# KiCad board 3ric.kicad_pcb (continued)
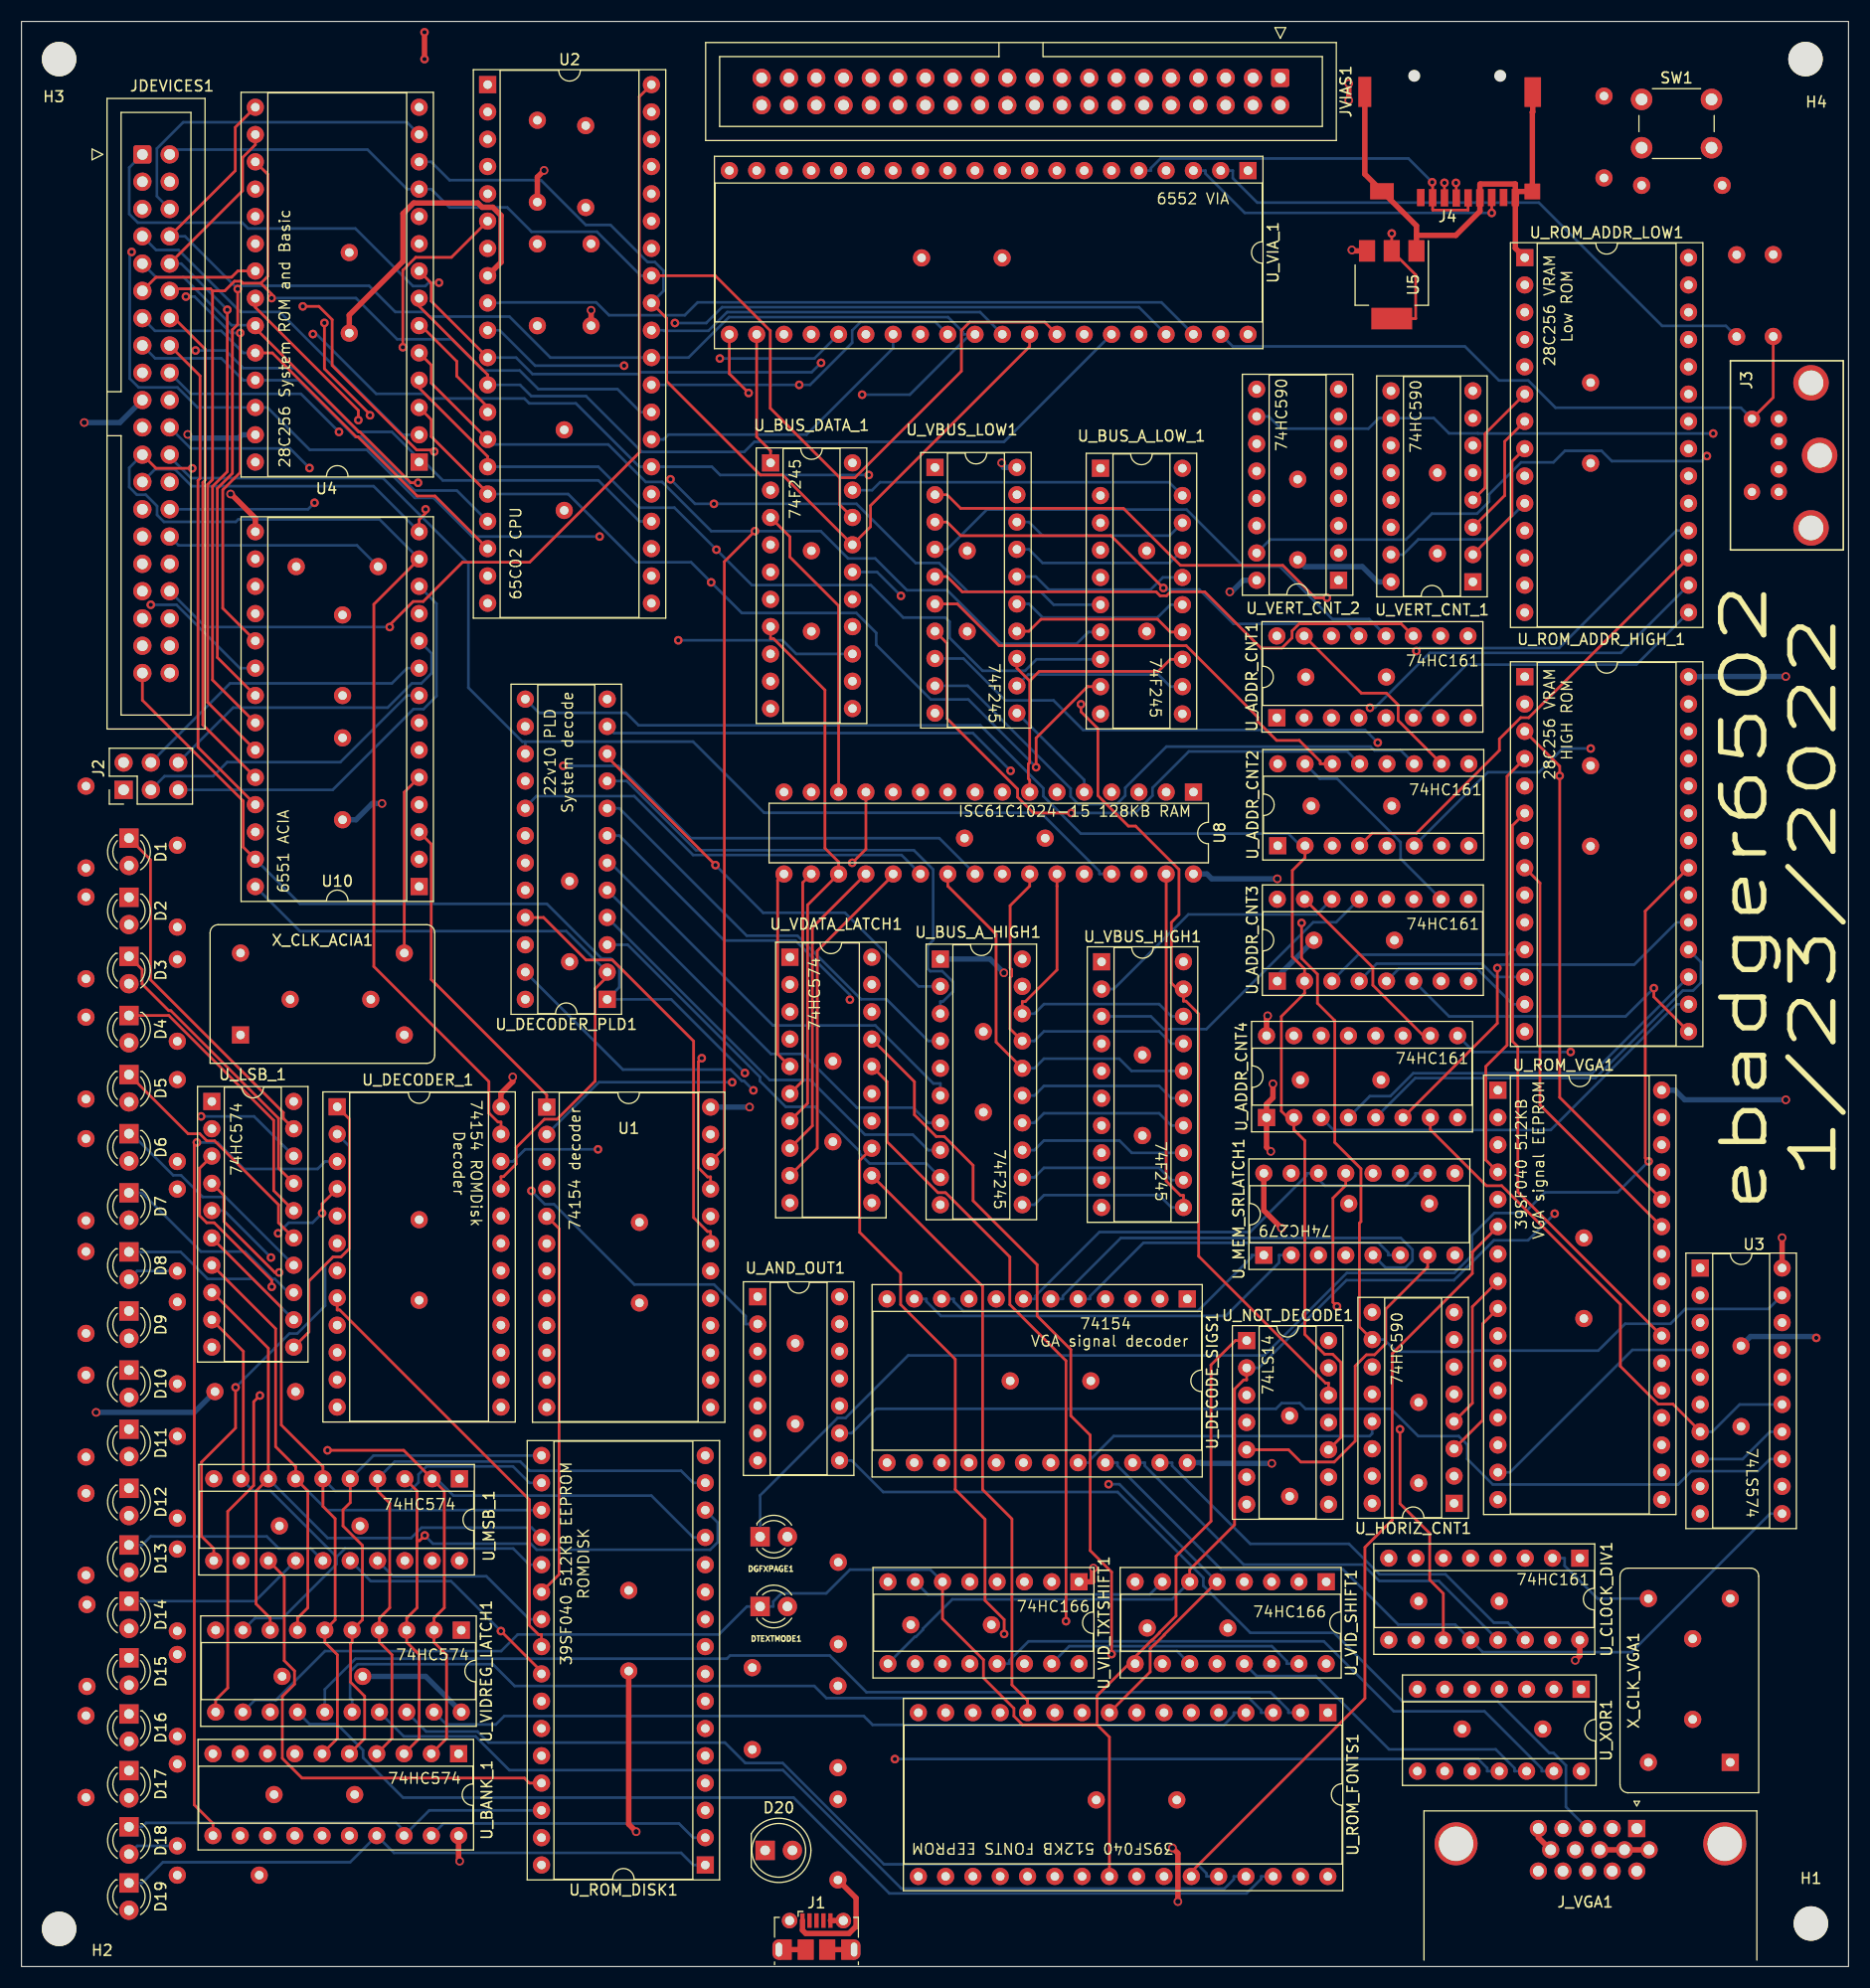
[diagram p0: board, top side]
## Routing (per net, layer and track width the routed paths; a pad name or vN(x,y) marks a point on that pad's centre or on a via; arc(x,y) is an arc through that point) (continued)
TD6: length 21
  In1.Cu w0.25: U_ROM_FONTS1.20 91.07,9.51 89.94,10.64 89.94,26.48 U_VID_TXTSHIFT1.12
TD7: length 20.6
  In1.Cu w0.25: U_ROM_FONTS1.21 93.61,9.51 92.46,10.66 92.46,27.32 U_VID_TXTSHIFT1.14
TEXTMODE: length 158
  Top w0.25: 103.62,28.74 100.08,25.2 100.08,22.5 ; 103.62,28.74 U_VID_SHIFT1.9 ; 103.62,28.74 103.62,28.82 105.18,30.38 105.22,30.38 105.87,31.03 105.87,31.07 107.43,32.62 107.43,38.18 110.68,41.44 110.68,55.98 112.95,58.25 U_NOT_DECODE1.1 ; U_ROM_FONTS1.24 101.23,21.35 100.08,22.5 ; 100.08,22.5 93.14,22.5 92.34,23.3 92.34,24.03 89.51,26.86 89.51,28.54 85.7,32.35 U_VID_TXTSHIFT1.6
  In1.Cu w0.25: U_ROM_FONTS1.22 97.28,7.26 100.1,7.26 U_ROM_FONTS1.24
  Bottom w0.25: U_VIDREG_LATCH1.12 21.73,24.8 23.61,24.8 23.65,24.76 28.24,29.35 44.63,29.35 46.17,30.9 64.89,30.9 67.5,33.5 DTEXTMODE1.1 69.95,33.5 69.95,33.96 70.72,34.73 74.87,34.73 77.08,36.93 84.57,36.93 U_VID_TXTSHIFT1.6
TXD: length 30.5
  Bottom w0.25: U10.10 38.16,122.2 38.16,120.36 37.21,119.41 36.33,119.41 34.07,117.15 19.69,117.15 J2.6
VA0: length 46.3
  In1.Cu w0.25: U_VBUS_LOW1.18 92.62,133.53 89.45,130.36 89.45,118.76 81.11,110.42 U8.12
  Bottom w0.25: U_BUS_A_LOW_1.18 106.83,133.15 95.01,133.15 93.75,134.42 U_VBUS_LOW1.18
VA1: length 42.9
  In1.Cu w0.25: U8.11 83.65,110.42 90.08,116.84 90.08,128.45 92.39,130.75 92.62,130.75 U_VBUS_LOW1.17
  Bottom w0.25: U_BUS_A_LOW_1.17 106.83,130.61 95.01,130.61 93.75,131.88 U_VBUS_LOW1.17
VA2: length 39.2
  In1.Cu w0.25: U8.10 86.19,110.42 90.53,114.76 90.53,126.36 92.39,128.21 92.62,128.21 U_VBUS_LOW1.16
  Bottom w0.25: U_BUS_A_LOW_1.16 106.2,129.26 105.07,128.13 95.59,128.13 94.38,129.34 U_VBUS_LOW1.16
VA3: length 35.7
  In1.Cu w0.25: U8.9 88.73,110.42 90.98,112.67 90.98,124.26 92.4,125.67 92.62,125.67 U_VBUS_LOW1.15
  Bottom w0.25: U_BUS_A_LOW_1.15 106.89,126.72 105.7,125.53 95.01,125.53 93.75,126.8 U_VBUS_LOW1.15
VA4: length 32
  Top w0.25: U_BUS_A_LOW_1.14 106.89,124.19 105.7,125.38 94.86,125.38 93.75,124.26 U_VBUS_LOW1.14
  In1.Cu w0.25: U8.8 91.27,111.53 91.43,111.69 91.43,122.17 92.4,123.13 92.62,123.13 U_VBUS_LOW1.14
VA5: length 28.1
  Top w0.25: 93.81,119.64 94.69,120.52 105.77,120.52 106.89,121.64 U_BUS_A_LOW_1.13 ; 93.81,119.64 93.81,112.03 93.68,111.9 93.68,110.54 93.81,110.42 U8.7 ; 93.81,119.64 92.62,120.83 U_VBUS_LOW1.13
VA6: length 32
  In1.Cu w0.25: U8.6 106.17,119.11 U_BUS_A_LOW_1.12
  Bottom w0.25: U_VBUS_LOW1.12 93.67,120.23 105.77,120.23 106.89,119.11 U_BUS_A_LOW_1.12
VA7: length 22.2
  In1.Cu w0.25: U_BUS_A_LOW_1.11 106.06,116.56 98.89,109.39 U8.5
  Bottom w0.25: U_VBUS_LOW1.11 92.62,116.69 98.89,110.42 U8.5
VA8: length 30.3
  Top w0.25: U8.27 96.35,100.54 96.35,92.74 93.4,89.8 93.12,89.8 U_BUS_A_HIGH1.18
  Bottom w0.25: U_BUS_A_HIGH1.18 94.25,88.67 95.14,89.56 105.85,89.56 106.99,88.42 U_VBUS_HIGH1.18
VA9: length 32.7
  Top w0.25: U_BUS_A_HIGH1.17 91.99,87.26 91.99,92.02 92.13,92.17 92.13,92.77 91.99,92.92 91.99,98.72 93.81,100.54 U8.26
  Bottom w0.25: U_BUS_A_HIGH1.17 94.25,86.13 95.14,87.02 105.85,87.02 106.99,85.88 U_VBUS_HIGH1.17
VA10: length 36.8
  Top w0.25: U8.23 86.19,100.54 90.68,96.05 90.68,86.03 U_BUS_A_HIGH1.16
  Bottom w0.25: U_VBUS_HIGH1.16 103.29,83.34 102.15,84.48 95.14,84.48 94.25,83.59 U_BUS_A_HIGH1.16
VA11: length 40
  In1.Cu w0.25: U_BUS_A_HIGH1.15 93.12,81.12 87.88,86.36 87.88,98.28 U8.25
  Bottom w0.25: U_BUS_A_HIGH1.15 94.25,81.05 95.14,81.94 105.85,81.94 106.99,80.8 U_VBUS_HIGH1.15
VA12: length 50.1
  In1.Cu w0.25: U8.4 101.43,108.93 97.71,105.21 97.71,83.1 U_BUS_A_HIGH1.14
  Bottom w0.25: U_VBUS_HIGH1.14 106.99,78.26 105.85,79.4 95.14,79.4 94.25,78.51 U_BUS_A_HIGH1.14
VA13: length 44.1
  In1.Cu w0.25: U_BUS_A_HIGH1.13 93.12,77.1 93.4,77.1 98.89,82.58 U8.28
  Bottom w0.25: U_BUS_A_HIGH1.13 94.25,75.97 95.14,76.86 102.16,76.86 103.3,75.72 U_VBUS_HIGH1.13
VA14: length 56.4
  In1.Cu w0.25: U8.3 102.7,108.02 102.7,99.34 99.34,95.98 99.34,80.49 93.4,74.56 93.12,74.56 U_BUS_A_HIGH1.12
  Bottom w0.25: U_BUS_A_HIGH1.12 94.25,73.43 95.14,74.32 105.85,74.32 106.99,73.18 U_VBUS_HIGH1.12
VA15: length 47.7
  Top w0.25: U_VBUS_HIGH1.11 108.12,71.77 107.84,71.77 106.51,73.09 U8.31
  Bottom w0.25: U_BUS_A_HIGH1.11 94.25,70.89 95.14,71.78 105.85,71.78 106.99,70.64 U_VBUS_HIGH1.11
VB0: length 6.3
  In1.Cu w0.25: U_VIA_1.10 91.27,172.75 JVIAS1.22
VB1: length 6.3
  In1.Cu w0.25: U_VIA_1.11 88.72,172.75 JVIAS1.24
VB2: length 6.3
  In1.Cu w0.25: U_VIA_1.12 86.19,172.75 JVIAS1.26
VB3: length 6.3
  In1.Cu w0.25: JVIAS1.28 83.64,172.75 U_VIA_1.13
VB4: length 6.3
  In1.Cu w0.25: U_VIA_1.14 81.11,172.75 JVIAS1.30
VB5: length 6.3
  In1.Cu w0.25: U_VIA_1.15 78.56,172.75 JVIAS1.32
VB6: length 6.3
  In1.Cu w0.25: U_VIA_1.16 76.03,172.75 JVIAS1.34
VB7: length 6.3
  In1.Cu w0.25: JVIAS1.36 73.48,172.75 U_VIA_1.17
VD0: length 52.7
  Top w0.25: U8.13 78.57,103.98 v2(77.3,102.71)
  In1.Cu w0.25: U_VDATA_LATCH1.2 71.71,91.39 77.3,96.98 v2(77.3,102.71) ; U_BUS_DATA_1.2 71.79,135.3 71.79,118.5 78.57,111.72 U8.13
VD1: length 53.6
  Top w0.25: U_BUS_DATA_1.3 71.5,133.05 71.5,131.16 76.03,126.63 U8.14
  In1.Cu w0.25: U8.14 76.03,106.01 79.73,102.31 79.73,97.08 U_VDATA_LATCH1.3
VD2: length 53.7
  In1.Cu w0.25: U_VDATA_LATCH1.4 70.37,87.43 70.37,91.89 71.28,92.8 72.46,92.8 74.63,94.97 74.63,102.3 73.49,103.43 U8.15 73.49,110.42 68.1,115.81 68.1,122.14 69.37,123.42 70.1,123.42 70.88,124.2 70.88,131.12 U_BUS_DATA_1.4
VD3: length 49.3
  Top w0.25: U_VDATA_LATCH1.5 70.36,84.91 70.36,101.08 U8.17
  In1.Cu w0.25: U8.17 67.2,105.42 67.2,127.26 U_BUS_DATA_1.5
VD4: length 50.1
  Top w0.25: U_VDATA_LATCH1.6 72.69,82.41 72.69,100.87 U8.18
  In1.Cu w0.25: U_BUS_DATA_1.6 67.65,125.17 67.65,107.51 U8.18
VD5: length 50.7
  Top w0.25: U_BUS_DATA_1.7 69.7,123.56 69.98,123.56 74.76,118.78 74.76,104.07 76.03,102.8 U8.19 73.14,98.78 73.14,80.32 U_VDATA_LATCH1.7
VD6: length 53.5
  Top w0.25: U_VDATA_LATCH1.8 73.59,78.23 73.59,96.69 U8.20
  In1.Cu w0.25: U_BUS_DATA_1.8 68.57,121.01 68.57,116.56 74.76,110.37 74.76,106.61 78.57,102.8 U8.20
VD7: length 54.7
  Top w0.25: U_VDATA_LATCH1.9 74.04,76.15 74.04,94.51 81.11,101.58 U8.21
  In1.Cu w0.25: U_BUS_DATA_1.9 77.35,111.95 77.35,105.43 U8.21
VIA1_CA1: length 22.6
  In1.Cu w0.25: JVIAS1.2 117.13,154.89 U_VIA_1.40
VIA1_CB1: length 6.3
  In1.Cu w0.25: U_VIA_1.18 70.94,172.75 JVIAS1.38
VIA1_CB2: length 6.3
  In1.Cu w0.25: JVIAS1.40 68.41,172.75 U_VIA_1.19
VIA1_PA5: length 6.3
  In1.Cu w0.25: JVIAS1.16 98.89,172.75 U_VIA_1.7
VIA1_PA6: length 6.3
  In1.Cu w0.25: U_VIA_1.8 96.34,172.75 JVIAS1.18
VIA1_PA7: length 6.3
  In1.Cu w0.25: JVIAS1.20 93.81,172.75 U_VIA_1.9
VIDBUS: length 146.1
  Top w0.25: U_NOT_DECODE1.12 121.62,54.3 121.34,54.3 109.53,66.1 109.53,88.65 108.35,89.83 108.12,89.83 108.12,90.4 ; U_VBUS_HIGH1.19 108.12,90.4 ; 108.12,90.4 106.99,91.52 106.99,97.17 107.7,97.87 107.7,102.09 103.66,106.13 103,106.13 100.16,108.96 100.16,115.19 98.58,116.77 v2(98.58,117.46)
  In1.Cu w0.25: U_VBUS_LOW1.19 93.75,135.83 93.75,120.26 96.54,117.46 ; 96.54,117.46 v2(98.58,117.46) ; 96.54,117.46 96.54,115.77 v2(92.04,111.27)
  Bottom w0.25: v2(92.04,111.27) 88.53,114.78 55.12,114.78 U_DECODER_PLD1.11
VIDENABLE: length 153.8
  Top w0.25: U_ADDR_CNT2.2 119.43,103.17 118.25,102 118.25,93.96 119.39,92.83 U_ADDR_CNT3.2 119.39,90.57 117.23,88.41 117.23,79.6 118.39,78.44 ; 118.39,78.44 118.39,77.87 119.41,76.85 119.41,58.82 121.25,56.98 122,56.98 122.77,56.21 122.77,49.24 U_NOT_DECODE1.10 ; 118.39,78.44 U_ADDR_CNT4.2
  In1.Cu w0.25: U_ADDR_CNT1.2 119.35,115.07 120.7,113.73 120.7,109.98 121.15,109.53 121.15,107.15 119.43,105.43 U_ADDR_CNT2.2
  Bottom w0.25: U_ADDR_CNT2.2 119.01,104.3 117.88,105.43 98.56,105.43 95.08,108.91 95.08,109.64 89.22,115.51 57.42,115.51 56.26,116.67 48.15,116.67 U_DECODER_PLD1.13
VL0: length 93.2
  Top w0.25: U_ROM_FONTS1.12 93.61,24.75 92.16,26.2 92.16,41.65 89.42,44.39 89.42,63.3 U_VDATA_LATCH1.12
  In1.Cu w0.25: U_ROM_FONTS1.12 95.68,21.55 113.45,21.55 115.2,23.3 115.2,23.96 117.45,26.2 117.45,28.53 118.86,29.94 U_VID_SHIFT1.2
VL1: length 92.1
  Top w0.25: U_VDATA_LATCH1.13 77.99,75.02 77.99,68.32 81.81,64.51 81.81,61.59 86.89,56.51 86.89,44.39 89.65,41.62 89.65,34.06 91.43,32.28 v2(91.43,30.95)
  In1.Cu w0.25: U_VID_SHIFT1.3 116.32,32.31 112.44,28.43 112.44,26.47 110.12,24.16 110.12,23.22 108.9,22 97.77,22 U_ROM_FONTS1.11 96.71,23.62 94.5,25.84 94.5,28.66 92.22,30.95 v2(91.43,30.95)
VL2: length 89
  In1.Cu w0.25: U_VDATA_LATCH1.14 77.97,77.54 77.97,70.61 84.95,63.63 88.31,63.63 89.42,62.51 89.42,61.76 94.21,56.97 100.04,56.97 112.88,44.14 112.88,42.54 113.78,41.64 U_VID_SHIFT1.4 113.78,31.38 112.64,30.24 109.11,30.24 107.36,28.49 107.36,27.21 105.04,24.89 105.04,23.29 104.2,22.45 99.86,22.45 U_ROM_FONTS1.10
VL3: length 78.2
  Top w0.25: U_VID_SHIFT1.5 106.32,30.88 106.32,30.85 105.4,29.93 105.37,29.93 105.02,29.58 105.02,27.42 U_ROM_FONTS1.9
  In1.Cu w0.25: v2(101.15,44.88) 99.58,46.45 99.58,48.56 88.02,60.13 85.98,60.13 84.34,61.76 84.34,62.51 77.52,69.33 77.52,79.63 U_VDATA_LATCH1.15
  Bottom w0.25: U_VID_SHIFT1.5 102.16,44.88 v2(101.15,44.88)
VL4: length 75.5
  Top w0.25: U_VDATA_LATCH1.16 80.53,82.35 80.53,76.76 85.28,72.02 85.98,72.02 91.97,66.03 91.97,61.59 97.19,56.37 v2(97.19,32.14)
  In1.Cu w0.25: 103.77,24.48 97.19,31.06 v2(97.19,32.14) ; 103.77,24.48 U_ROM_FONTS1.8 ; 103.77,24.48 103.77,25.79 U_VID_SHIFT1.10
VL5: length 80.3
  Top w0.25: v2(101.43,29.07) 101.43,36.72 99.44,38.71 99.44,49.45 97.64,51.25 97.64,57.41 94.5,60.54 94.5,65.3 88.55,71.26 88.55,74.55 85.86,77.24 85.11,77.24 83.09,79.26 83.09,82.34 U_VDATA_LATCH1.17
  In1.Cu w0.25: U_VID_SHIFT1.11 108.7,27.14 106.31,24.75 U_ROM_FONTS1.7
  Bottom w0.25: U_VID_SHIFT1.11 107.52,29.36 101.72,29.36 v2(101.43,29.07)
VL6: length 83.7
  In1.Cu w0.25: 111.24,28.03 111.24,27.14 108.85,24.75 U_ROM_FONTS1.6 ; 111.24,28.03 115.14,31.92 115.14,46 114.34,46.8 113.69,46.8 99.58,60.91 99.58,62.78 86.66,75.7 86.66,81.51 85.85,82.32 85.14,82.32 79.12,88.34 U_VDATA_LATCH1.18 ; 111.24,28.03 U_VID_SHIFT1.12
VL7: length 89.8
  In1.Cu w0.25: U_VDATA_LATCH1.19 80.25,91.39 84.23,87.4 85.86,87.4 87.26,86 87.26,77.66 92.75,72.16 94.96,72.16 104.67,62.46 104.67,58.28 113.59,49.36 114.37,49.36 115.6,48.13 115.6,43.63 117.51,41.72 117.51,29.37 U_VID_SHIFT1.14 115.94,28.18 U_ROM_FONTS1.5
VMLATCH: length 45.9
  In1.Cu w0.25: U_NOT_DECODE1.6 112.87,45.55 98.72,59.7 93.99,59.7 91.97,61.73 91.97,62.45 83.35,71.06 U_VDATA_LATCH1.11
VQ0: length 160.9
  Top w0.25: U_ROM_FONTS1.27 108.85,8.81 125.01,24.96 125.01,39.01 127.54,41.55 127.54,57.04 135,64.5 135,66.47 U_ROM_VGA1.6
  In1.Cu w0.25: U_ROM_VGA1.6 140.53,72 140.53,73.26 141.01,73.74 141.01,96.03 U_ROM_ADDR_HIGH_1.10 139.88,96.6 141.03,97.75 141.03,100.2 140.4,100.83 139.65,100.83 136.95,103.53 136.95,133.24 U_ROM_ADDR_LOW1.10
  Bottom w0.25: U_ROM_ADDR_LOW1.10 136.51,132.8 129.97,132.8 128.56,131.39 U_VERT_CNT_1.15
VQ1: length 152
  In1.Cu w0.25: U_ROM_FONTS1.26 106.31,9.22 117.74,20.65 117.74,23.97 119.63,25.86 120.74,25.86 123.46,28.58 123.46,47.57 125.23,49.35 127.46,49.35 127.56,49.25 128.54,49.25 129.04,49.74 129.04,50.45 128.86,50.63 128.86,54.85 132.17,58.16 132.17,66.65 137.38,71.85 U_ROM_VGA1.5 138.74,72.76 138.74,98.57 139.88,99.7 136.5,103.08 136.5,126.28 135.05,127.72 U_VERT_CNT_1.1 136.18,129.98 136.18,135.01 U_ROM_ADDR_LOW1.9
VQ2: length 200.2
  Top w0.25: U_ROM_ADDR_LOW1.8 138.69,140.06 138.69,135.03 U_VERT_CNT_1.2 ; U_ROM_VGA1.27 141.29,80.18 141.29,100.83 U_ROM_ADDR_HIGH_1.8
  In1.Cu w0.25: U_ROM_ADDR_LOW1.8 141.02,140.1 141.02,125.14 137.4,121.52 137.4,104.72 U_ROM_ADDR_HIGH_1.8 ; U_ROM_VGA1.27 154.57,66.89 154.57,64.54 155.24,63.87 156.38,63.87 157.8,62.45 157.8,49.3 156.99,48.49 155.43,48.49 154.57,47.63 154.57,42.07 147.86,35.36 147.86,30.47 146.65,29.25 130.58,29.25 110.12,8.8 110.12,8.05 108.86,6.79 103.71,6.79 102.52,7.97 102.52,8.69 101.69,9.52 99.83,9.52 U_ROM_FONTS1.23
VQ3: length 186.8
  Top w0.25: U_VERT_CNT_1.3 138.01,136.89 138.01,141.92 U_ROM_ADDR_LOW1.7
  In1.Cu w0.25: U_ROM_VGA1.26 151.49,66.31 150.95,65.77 141.7,65.77 ; U_ROM_FONTS1.25 103.77,7.73 104.24,7.26 106.85,7.26 107.58,7.99 107.58,9.84 120.42,22.68 120.42,24.64 124.52,28.74 124.52,46.08 125.2,46.77 126.7,46.77 131.92,51.99 133.62,51.99 134.9,53.27 134.9,57.84 137.02,59.96 139.96,59.96 141.7,61.7 141.7,65.77 ; 141.7,65.77 140.98,66.49 140.98,73.08 141.48,73.58 141.48,103.75 139.88,105.35 139.88,104.78 137.85,106.81 137.85,120.7 141.48,124.33 141.48,142.18 U_ROM_ADDR_LOW1.7
VQ4: length 108.7
  Top w0.25: U_ROM_ADDR_HIGH_1.6 138.73,106.18 138.73,86.11 139.23,85.6 139.23,72.07 U_ROM_VGA1.23 ; U_VERT_CNT_1.4 136.18,137.6 136.18,142.63 U_ROM_ADDR_LOW1.6
  In1.Cu w0.25: U_ROM_ADDR_LOW1.6 141.95,144.25 141.95,124.16 138.3,120.51 138.3,108.9 U_ROM_ADDR_HIGH_1.6
VQ5: length 115.5
  In1.Cu w0.25: 139.88,108.74 139.37,108.74 138.75,109.36 138.75,117.95 139.69,118.9 140.84,118.9 142.41,120.47 142.41,145.43 139.88,147.96 U_ROM_ADDR_LOW1.5 139.88,147.97 138.69,146.78 138.69,142.65 U_VERT_CNT_1.5 ; 139.88,108.74 140.11,108.74 142.43,106.42 142.43,72.47 141.93,71.97 141.93,68.96 144.66,66.22 146.46,66.22 147.69,67.45 153.08,67.45 153.74,66.78 153.74,64.89 U_ROM_VGA1.25 ; 139.88,108.74 139.88,109.86
VQ6: length 93.8
  Top w0.25: U_ROM_ADDR_HIGH_1.4 138.23,110.76 138.23,85.74 136.25,83.76 136.25,75.05 U_ROM_VGA1.4
  In1.Cu w0.25: U_VERT_CNT_1.6 138.01,144.51 138.01,149.54 U_ROM_ADDR_LOW1.4 139.88,150.84 142.89,147.83 142.89,115.42 U_ROM_ADDR_HIGH_1.4
VQ7: length 105.4
  Top w0.25: 139.88,114.94 143.13,111.69 v2(143.13,110.8) 143.13,80.88 U_ROM_VGA1.28
  In1.Cu w0.25: U_VERT_CNT_1.7 136.18,145.22 136.18,149.35 139.88,153.05 U_ROM_ADDR_LOW1.3 139.88,153.04 143.39,149.53 143.39,111.07 v2(143.13,110.8)
VQ8: length 139.8
  In1.Cu w0.25: 153.99,101.08 153.99,111.28 U_ROM_ADDR_HIGH_1.25 ; 153.99,101.08 153.99,75.3 U_ROM_VGA1.29 ; 153.99,101.08 155.58,101.08 157.18,102.69 157.18,140.2 v2(156.82,140.56) 156.66,140.72 156.66,149.86 U_ROM_ADDR_LOW1.25
  Bottom w0.25: v2(156.82,140.56) 156.35,140.09 147.98,140.09 147.02,141.05 143.61,141.05 142.54,139.97 139.54,139.97 136.56,137 136.56,136.32 135.44,135.2 131.24,135.2 128.83,132.79 116.18,132.79 U_VERT_CNT_2.15
VQ9: length 63.7
  In1.Cu w0.25: U_ROM_VGA1.3 136.03,77.81 136.03,124.02 134.63,125.42 126.13,125.42 U_VERT_CNT_2.1
VRESET: length 131.4
  In1.Cu w0.25: v2(157.41,142.66) 157.77,142.3 157.77,72.8 164.99,65.57 164.99,61.09 U3.18
  Bottom w0.25: U_VERT_CNT_1.10 126.3,144.09 ; 126.3,144.09 131.41,144.09 132.83,142.67 135.52,142.67 135.53,142.66 v2(157.41,142.66) ; 126.3,144.09 125.32,143.11 117.19,143.11 116.06,144.24 U_VERT_CNT_2.10
VSYNC: length 62
  In1.Cu w0.25: U3.16 164.97,53.69 164.97,21.31 150.94,7.28 145.03,7.28 J_VGA1.14
~{CPUBUS_CS}: length 162.6
  In1.Cu w0.25: 90.69,105.25 91.4,105.25 95.17,109.02 95.17,112.99 100.02,117.83 100.77,117.83 106.61,123.67 106.61,127.62 106.97,127.98 106.97,128.58 106.88,128.68 106.88,135.75 U_BUS_A_LOW_1.19 ; 90.69,105.25 91.75,105.25 92.45,104.55 92.45,95.31 88.33,91.2 88.33,86.55 89.04,85.84 90.04,85.84 91.18,86.97 91.18,88.38 92.89,90.08 93.12,90.08 U_BUS_A_HIGH1.19 ; 90.69,105.25 87.32,101.88 87.32,101.13 85.69,99.5 83.1,99.5 72.77,89.17 72.77,85.9 71.9,85.03 71.17,85.03 68.1,81.97 v2(68.1,81.53)
  Bottom w0.25: U_DECODER_PLD1.23 55.95,83.47 65.97,83.47 67.01,82.43 67.21,82.43 v2(68.1,81.53) ; U_BUS_DATA_1.19 79.15,137.38 79.89,138.12 106.78,138.12 U_BUS_A_LOW_1.19
~{CS_ACIA}: length 30.5
  Top w0.25: U10.3 38.13,104.45 38.13,91.85 48.88,81.1 U1.1
~{CS_IO2}: length 97.5
  In1.Cu w0.25: v2(29.54,142.81) 29.54,132.27 35.73,126.09 35.73,117.94 36.66,117.01 37.37,117.01 42.3,112.08 42.3,105.68 46.55,101.43 47.26,101.43 52.14,96.56 52.14,78.16 U1.3
  Bottom w0.25: JDEVICES1.18 15.75,146.35 26,146.35 v2(29.54,142.81)
~{CS_IO3}: length 91.4
  In1.Cu w0.25: v2(26.8,139.45) 26.54,139.19 26.54,135.91 26.8,135.66 26.8,130.52 34.26,123.06 34.26,109.27 36.68,106.85 37.32,106.85 44.06,100.11 44.06,83.35 47.46,79.95 47.46,73.77 48.88,72.36
  Bottom w0.25: v2(26.8,139.45) 24.97,141.27 15.75,141.27 JDEVICES1.22
~{CS_RAM}: length 40.3
  Bottom w0.25: U8.22 81.89,103.43 62.5,103.43 57.01,108.91 47.91,108.91 46.88,107.88 U_DECODER_PLD1.17
~{CS_ROMDISK}: length 40.4
  Top w0.25: U1.5 50.02,68.67 50.02,36.48 U_ROM_DISK1.22
  In2.Cu w0.25: U1.5 47.75,69.81 47.72,69.84 U_DECODER_1.20
~{CS_ROM}: length 63.9
  Top w0.25: v2(32.43,144.36) 32.43,144.44 28.18,148.68 v2(28.18,152.95)
  In1.Cu w0.25: v2(32.43,144.36) 32.15,144.63 30.96,144.63 30.32,143.99 30.32,136.01 36.61,129.71 37.4,129.71 38.19,128.92 38.19,127.2 42.45,122.94 42.45,114.75 U_DECODER_PLD1.16 ; U4.20 21.76,159.93 28.18,153.51 v2(28.18,152.95)
~{CS_VIA1}: length 90.9
  In1.Cu w0.25: U_VIA_1.23 70.94,150.75 66.14,145.94 66.14,82.29 v2(66.13,82.28)
  Bottom w0.25: v2(66.13,82.28) 66.12,82.29 53.73,82.29 48.88,77.44
~{CTS}: length 28.6
  Bottom w0.25: U10.9 35.87,120.82 34.46,119.41 19.41,119.41 J2.4
~{Device}: length 42.6
  Top w0.25: U_DECODER_PLD1.21 48.58,97.62 52.53,93.67 54.99,93.67 62.54,86.11 62.54,69.69 63.83,68.4 64.11,68.4 U1.19
  In1.Cu w0.25: 64.11,64.74 U1.19
~{IRQ_ACIA}: length 88.2
  In1.Cu w0.25: U10.26 21.76,106.22 R5.1 32.13,112.08 32.13,94.11 46.53,79.71 46.53,73.09 v2(47.45,72.18)
  Bottom w0.25: U_AND_OUT1.2 67.37,59.79 67.37,60.53 64.44,63.47 57.03,63.47 49.55,70.94 48.69,70.94 v2(47.45,72.18)
~{IRQ_VIA1}: length 92.9
  Top w0.25: v2(67.66,146.43) 65.86,148.22 65.86,151.88
  In1.Cu w0.25: v2(67.66,146.43) 67.66,135.22 68.98,133.89 68.98,133.29 66.58,130.89 66.58,82.85 66.86,82.58 66.86,81.95 66.53,81.62 66.53,65.43 68.5,63.46 U_AND_OUT1.1
~{IRQEXT}: length 114.9
  In1.Cu w0.25: R6.1 36.29,127.17 37.32,127.17 41.95,122.55 41.95,113.62 46.52,109.05 47.26,109.05 52.89,103.42 52.89,69.28 63.78,58.38 64.51,58.38 67.09,55.81 67.09,54.48 68.27,53.3 68.5,53.3 U_AND_OUT1.5
  Bottom w0.25: R6.1 31.21,132.25 14.61,132.25 JDEVICES1.30
~{IRQ}: length 150.8
  In1.Cu w0.25: U_AND_OUT1.6 69.67,50.8 69.67,57.72 68.94,58.45 68.18,58.45 66.09,60.55 66.09,61.85 64.47,63.47 61.66,63.47 56.37,68.76 56.37,91.23 62.74,97.6 62.74,124.66 62.55,124.85 62.55,135.9 62.91,136.27 62.91,144.01 69.56,150.66 69.56,155.62 58.8,166.38 44.5,166.38 U2.4
~{NMI}: length 53.1
  Top w0.25: v2(35.48,150.68) 35.48,157.85 36.68,159.05 40,159.05 U2.6
  In1.Cu w0.25: JDEVICES1.32 15.26,130.53 24.72,140 24.72,140.94 34.47,150.68 v2(35.48,150.68) ; U2.6 44.5,162.43 46.62,160.31 R4.1
~{OE}: length 118.7
  Top w0.25: U4.22 21.76,154.4 31.34,144.81 v2(31.34,143.91)
  In1.Cu w0.25: U4.22 21.76,154.45 16.44,149.13 16.44,141 13.79,138.34 JDEVICES1.26 ; v2(31.34,143.91) 30.77,143.33 30.77,141.36 39.6,132.53 39.6,127.89 45.47,122.02 45.47,116.81 U_DECODER_PLD1.14 50.4,111.88 v2(50.4,111.73)
  Bottom w0.25: U8.24 85.4,105 62.28,105 55.55,111.73 v2(50.4,111.73)
~{RESET}: length 231.6
  Top w0.25: U2.40 57.49,174 57.49,140.89 47.28,130.68 41.03,130.68 37.39,127.03 36.45,127.03 34.26,124.84 v2(34.26,124.65)
  In1.Cu w0.25: C_RESET_1.1 157.25,166.75 SW1.2 ; U10.4 34.71,110.41 34.71,124.2 v2(34.26,124.65) ; R_RESET_1.2 147.25,172.75 ; 147.25,172.75 SW1.2 ; 147.25,172.75 145.34,172.75 123.3,150.72 111.15,150.72 110.39,151.47 110.39,152.15 109.48,153.06 100.06,153.06 U_VIA_1.34 97.99,151.88 93.83,156.04 92.38,156.04 85.19,163.23 68.17,163.23 60.5,170.9 60.5,173.24 U2.40
  In2.Cu w0.25: SW1.2 SW1.2
  Bottom w0.25: v2(34.26,124.65) 17.13,124.65 JDEVICES1.34
~{RomDiskOE}: length 40.6
  Top w0.25: U_ROM_DISK1.24 48.39,30.9 48.1,30.9 47.26,31.74 47.26,43.44 29.61,61.09 29.38,61.09 U_DECODER_1.8
~{RTS}: length 28.6
  Bottom w0.25: J2.3 13.31,110.77 17.83,110.77 19.13,112.07 29.67,112.07 35.87,118.28 U10.8
~{WE}: length 112
  Bottom w0.25: 46.88,113.99 62.49,113.99 69.11,107.36 94.84,107.36 100.3,101.9 100.3,101.67 U8.29 ; 46.88,113.99 46.6,113.99 41.58,119 41.58,130.56 33.63,138.51 15.77,138.51 13.79,140.5 JDEVICES1.24 ; 46.88,113.99 U_DECODER_PLD1.15
Net-(D1-Pad2): length 4.1
  In2.Cu w0.25: R7.1 9.77,102.22 D1.2
Net-(D2-Pad2): length 4.6
  In2.Cu w0.25: R8.1 10.23,96.72 D2.2
Net-(D3-Pad2): length 4.2
  In2.Cu w0.25: D3.2 9.55,91.92 R9.1
Net-(D4-Pad2): length 9.6
  In1.Cu w0.25: D4.2 14.5,90.46 R10.1
Net-(D5-Pad2): length 4.1
  In2.Cu w0.25: D5.2 9.73,80.72 R11.1
Net-(D6-Pad2): length 4.5
  In2.Cu w0.25: R12.1 10.05,74.92 D6.2
Net-(D7-Pad2): length 4
  In2.Cu w0.25: R13.1 9.95,69.41 D7.2
Net-(D8-Pad2): length 4.8
  Bottom w0.25: D8.2 10.77,64.72 R14.1
Net-(D9-Pad2): length 4.2
  In2.Cu w0.25: R15.1 9.55,58.91 D9.2
Net-(D10-Pad2): length 5
  In2.Cu w0.25: R16.1 11.27,54.22 D10.2
Net-(D11-Pad2): length 4
  In2.Cu w0.25: R17.1 9.95,47.41 D11.2
Net-(D12-Pad2): length 4.6
  In2.Cu w0.25: R18.1 10.23,41.72 D12.2
Net-(D13-Pad2): length 4.1
  In2.Cu w0.25: R19.1 9.73,36.41 D13.2
Net-(D14-Pad2): length 4.6
  In2.Cu w0.25: D14.2 10.23,31.22 R20.1
Net-(D15-Pad2): length 4
  In2.Cu w0.25: R21.1 9.88,26.07 D15.2
Net-(D16-Pad2): length 4.7
  In2.Cu w0.25: R22.1 10.45,21.41 D16.2
Net-(D17-Pad2): length 4
  In2.Cu w0.25: R23.1 9.96,15.72 D17.2
Net-(D18-Pad2): length 4.8
  Bottom w0.25: D18.2 10.77,11.22 R24.1
Net-(D19-Pad2): length 5.9
  In1.Cu w0.25: D19.2 11.23,5.24 R25.1
Net-(D20-Pad1): length 18.1
  In1.Cu w0.25: D20.1 69.19,19.34 R_POWER1.1
Net-(DGFXPAGE1-Pad2): length 13.5
  In1.Cu w0.25: DGFXPAGE1.2 69.95,38.69 69.95,29.76 R26.1
Net-(DTEXTMODE1-Pad2): length 6.2
  In1.Cu w0.25: DTEXTMODE1.2 74.77,30 R27.1
Net-(R1-Pad1): length 4.9
  In2.Cu w0.25: R1.1 45.28,171.81 44.5,172.59 U2.2
Net-(R2-Pad1): length 6.6
  In2.Cu w0.25: R2.1 56.22,171.31 57.49,170.05 U2.38
Net-(R3-Pad1): length 7.5
  In1.Cu w0.25: R3.1 57.66,164.97 U2.36
Net-(U3-Pad2): length 33.8
  In1.Cu w0.25: U3.2 157.34,61.32 157.34,59.47 156.52,58.65 155.87,58.65 154.41,57.19 154.41,56.33 152.81,54.74 150.97,54.74 143.64,47.4 136.87,47.4 136.25,48.02 136.25,49.94 U_ROM_VGA1.13
Net-(U3-Pad3): length 23.5
  In1.Cu w0.25: U3.3 153.56,57.28 146.12,57.28 U_ROM_VGA1.14
Net-(U3-Pad4): length 23.5
  Bottom w0.25: U_ROM_VGA1.15 138.5,45.99 149.89,57.38 U3.4
Net-(U3-Pad5): length 14.6
  In1.Cu w0.25: U_ROM_VGA1.17 151.48,44.58 151.48,51.54 152.14,52.2 152.9,52.2 155.54,54.84 U3.5
Net-(U3-Pad6): length 7.8
  In1.Cu w0.25: U3.6 153.74,49.84 153.74,47.11 U_ROM_VGA1.18
Net-(U_ADDR_CNT1-Pad11): length 49.3
  Top w0.25: U_VBUS_LOW1.5 86.13,129.34 87.54,127.93 105.58,127.93 105.95,127.56 106.55,127.56 106.91,127.93 110.1,127.93 115.33,122.7 117.28,122.7 118.23,123.65 118.23,124.29 118.88,124.94 128.39,124.94 U_ADDR_CNT1.11
Net-(U_ADDR_CNT1-Pad12): length 48.4
  Bottom w0.25: U_ADDR_CNT1.12 125.4,125.39 121.96,125.39 117.09,130.27 113.72,130.27 108.41,135.58 89.82,135.58 86.13,131.88 U_VBUS_LOW1.4
Net-(U_ADDR_CNT1-Pad13): length 43.8
  Top w0.25: U_VBUS_LOW1.3 86.13,134.42 87.4,133.15 101.38,133.15 v2(106.25,128.28)
  Bottom w0.25: v2(106.25,128.28) 106.39,128.14 109.59,128.14 112.78,124.95 123.31,124.95 U_ADDR_CNT1.13
Net-(U_ADDR_CNT1-Pad14): length 44.2
  Top w0.25: v2(121.47,127.37) 120.38,127.37 117.36,130.39 107.84,130.39 102.54,135.69 87.4,135.69 86.13,136.96 U_VBUS_LOW1.2
  In1.Cu w0.25: v2(121.47,127.37) 121.89,126.95 U_ADDR_CNT1.14
Net-(U_ADDR_CNT2-Pad11): length 52.9
  Bottom w0.25: U_ADDR_CNT2.11 128.34,113.17 125.9,113.17 125.54,113.52 106.53,113.52 102.7,109.69 102.7,108.96 101.9,108.16 98.35,108.16 97.62,108.89 97.62,109.62 88.06,119.18 U_VBUS_LOW1.9
Net-(U_ADDR_CNT2-Pad12): length 46.8
  In1.Cu w0.25: U_ADDR_CNT2.12 127.05,113.05 127.04,113.05 v2(126.2,113.89)
  Bottom w0.25: v2(126.2,113.89) 125.01,115.07 98.78,115.07 96.03,117.83 91.54,117.83 87.64,121.72 U_VBUS_LOW1.8
Net-(U_ADDR_CNT2-Pad13): length 54.3
  Top w0.25: U_VBUS_LOW1.7 86.13,123.13 86.13,116.12 92.68,109.57 92.68,108.82 94.16,107.34 v2(97.68,107.34)
  Bottom w0.25: v2(97.68,107.34) 103.62,107.34 105.24,108.96 105.24,109.69 108.62,113.07 123.36,113.07 U_ADDR_CNT2.13
Net-(U_ADDR_CNT2-Pad14): length 43.5
  Top w0.25: U_ADDR_CNT2.14 120.84,111.92 120.84,112.15 118.9,114.1 116.78,114.1 115.03,115.86 115.03,116.26 108.37,122.92 90.97,122.92 87.08,126.8 U_VBUS_LOW1.6
Net-(U_ADDR_CNT3-Pad11): length 36.6
  In1.Cu w0.25: U_ADDR_CNT3.11 123.59,93.36 114.98,93.36 108.62,87.01 107.64,87.01 106.21,85.57 106.21,84.51 104.7,83 103.5,83 103.16,83.34 U_VBUS_HIGH1.5
Net-(U_ADDR_CNT3-Pad12): length 37.6
  In1.Cu w0.25: U_ADDR_CNT3.12 121.95,94.26 114.98,94.26 110.4,89.69 107.73,89.69 105.42,87.38 105.42,84.36 104.77,83.7 103.83,83.7 103.18,84.36 103.18,86.48 102.98,86.68 101.3,86.68 U_VBUS_HIGH1.4
Net-(U_ADDR_CNT3-Pad13): length 29.5
  Bottom w0.25: U_ADDR_CNT3.13 122.32,97.17 120.19,97.17 110.25,87.23 106.28,87.23 105.09,88.42 U_VBUS_HIGH1.3
Net-(U_ADDR_CNT3-Pad14): length 24.9
  Bottom w0.25: U_ADDR_CNT3.14 120.51,97.91 108.57,97.91 101.63,90.96 U_VBUS_HIGH1.2
Net-(U_ADDR_CNT4-Pad11): length 34.6
  In1.Cu w0.25: U_ADDR_CNT4.11 122.2,80.27 122.2,78.61 120.2,76.61 110.91,76.61 108.61,74.31 102.75,74.31 101.63,73.18 U_VBUS_HIGH1.9
Net-(U_ADDR_CNT4-Pad12): length 31
  In1.Cu w0.25: U_VBUS_HIGH1.8 105.31,75.72 106.65,77.06 118.05,77.06 119.66,78.68 119.66,80.27 U_ADDR_CNT4.12
Net-(U_ADDR_CNT4-Pad13): length 27.2
  In1.Cu w0.25: U_ADDR_CNT4.13 123.47,85.37 119.47,81.37 110.49,81.37 108.51,79.39 102.75,79.39 101.63,78.26 U_VBUS_HIGH1.7
